# KiCad board smoothiev2-prime-2660.kicad_pcb (continued)
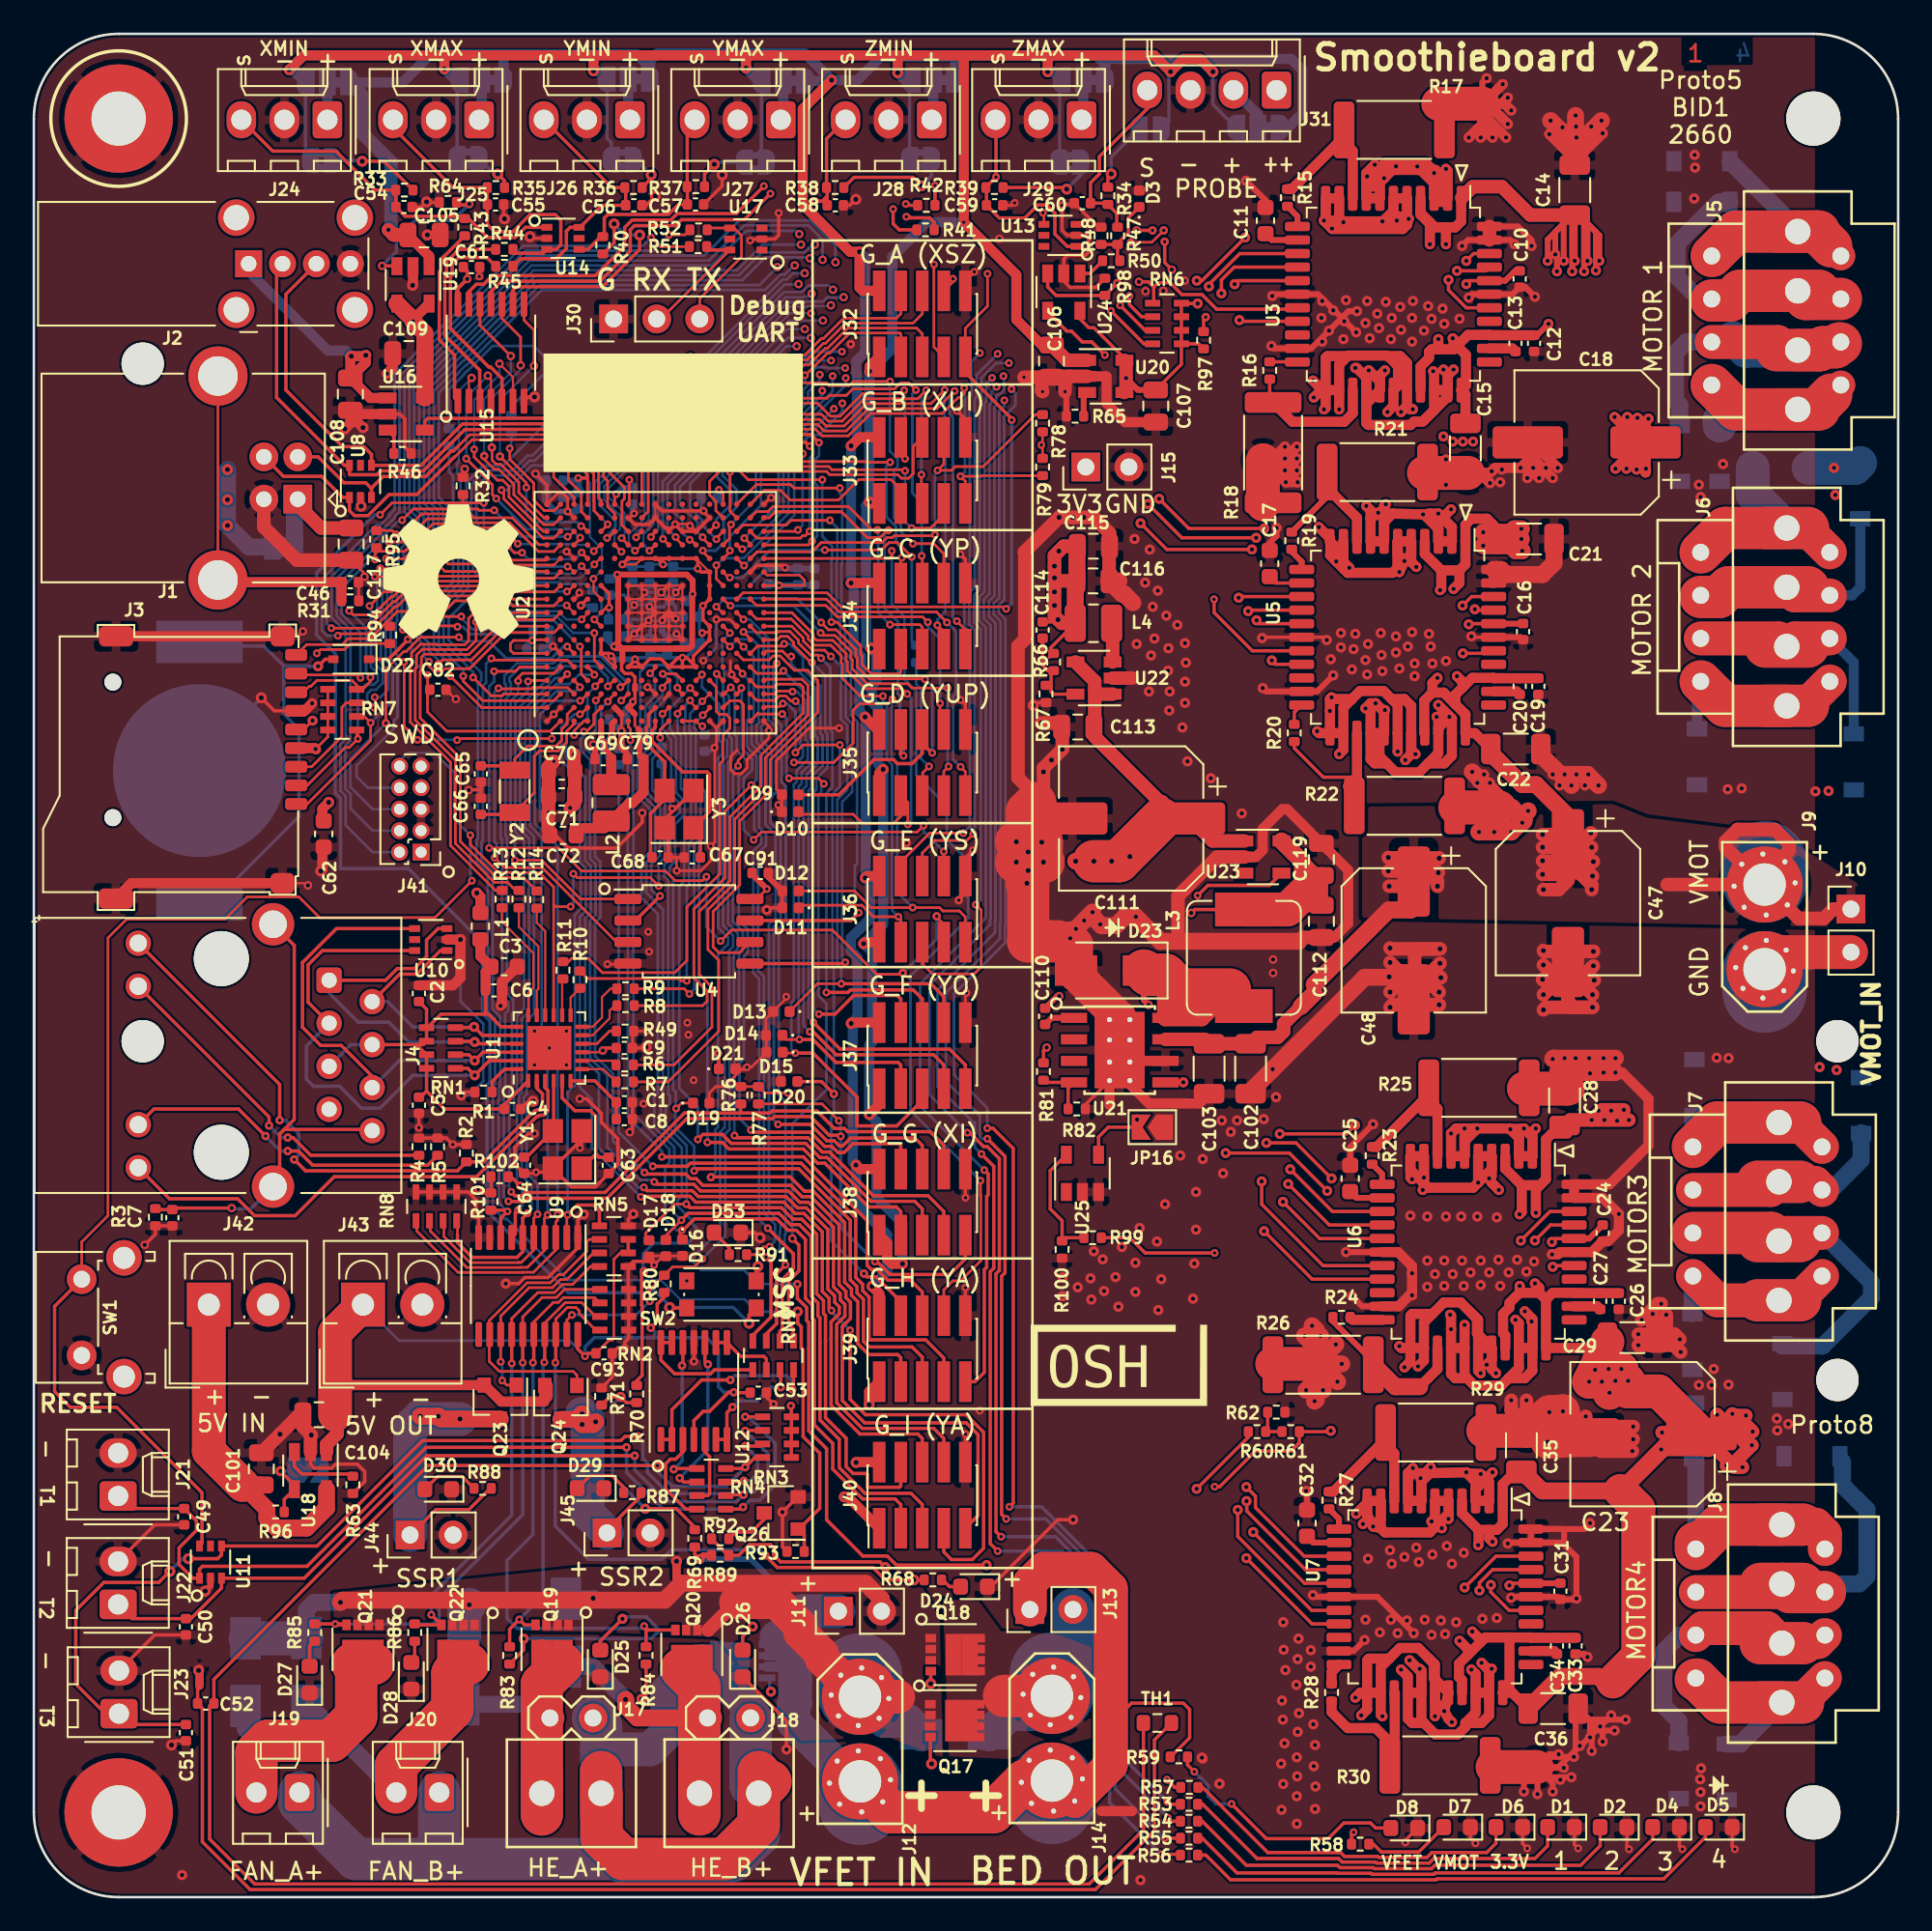
[diagram p0: board, top side]
## Routing (per net, layer and track width the routed paths; a pad name or vN(x,y) marks a point on that pad's centre or on a via; arc(x,y) is an arc through that point) (continued)
/sheet62266892/COIL_B2: length 65.9
  Top w0.6: U5.24 77.27,70.23 77.77,70.73 ; U5.24 77.27,67.73 v2(77.02,67.48) ; U5.24 U5.23 ; 77.77,70.73 76.57,70.73 v2(76.57,70.83) 76.47,70.73 v2(76.47,70.03) U5.23 ; 77.77,70.73 78.25,71.21 79.64,71.21 80.12,70.73 ; 80.12,70.73 80.47,70.38 U5.28 v2(80.47,67.63) ; 80.12,70.73 80.87,70.73 81.27,70.33 U5.29 ; U5.29 81.27,67.73 v2(81.52,67.48) ; U5.29 81.27,67.48 v2(80.92,67.13) ; U5.23 75.83,68.72 v2(75.72,68.83)
  Top w2: J6.1 104.53,70.33 J6.1
  Top w2.5: J6.1 99.79,70.33 J6.1
  In2.Cu w2: 76.12,70.73 76.12,69.23 v2(75.72,68.83) 75.72,68.78 v2(77.02,67.48) 76.97,67.98 v2(80.47,67.63) v2(81.52,67.48) 81.57,67.53 83.85,67.53 84.18,67.86 85.56,67.86 85.71,67.71 86.26,67.71 86.44,67.53 88.75,67.53 88.93,67.71 92.41,67.71 92.59,67.53 94.11,67.53 J6.1
  In2.Cu w2.5: 98.35,71.45 98.67,71.45 99.79,70.33 J6.1
  Bottom w0.6: J6.1 98.13,71.55 D44.1
/SPI1_CIPO: length 24
  Top w0.16: J36.8 v3(53.69,61.73) ; v3(41.74,71.39) 41.74,71.3 U2.R3 ; v3(42.47,62.42) 42.93,62.88 52.12,62.88 v3(52.49,63.25)
  Bottom w0.16: v3(41.74,71.39) 41.77,71.36 41.77,67.82 42.37,67.21 42.37,66.55 41.88,66.05 41.88,63.01 v3(42.47,62.42) ; v3(53.69,61.73) 52.49,62.93 v3(52.49,63.25)
/SPI1_COPI: length 49.6
  Top w0.16: U2.A5 28.67,72.63 28.41,72.37 v3(27.15,72.37) ; v5(53.27,57.91) 53.27,57.86 53.69,57.44 J36.7 ; v3(26.86,61.94) 30.96,61.94 32.32,60.58 37.26,60.58 37.83,60.01 39.45,60.01 v3(39.68,60.24) ; v5(51.27,54.56) 51.2,54.48 49.73,54.48 47.11,57.09 41.17,57.09 v3(40.52,56.45)
  Bottom w0.16: v3(26.86,61.94) 26.86,71.46 27.15,71.76 v3(27.15,72.37) ; v3(39.68,60.24) 39.68,57.29 v3(40.52,56.45) ; v5(51.27,54.56) 53.27,56.56 v5(53.27,57.91)
/SPI1_SCK: length 40.5
  Top w0.16: U2.T3 42.65,70.65 43.72,70.65 43.99,70.91 44.37,70.91 44.67,70.61 v3(44.95,70.61) ; J36.9 54.96,57.86 54.6,58.22 53.64,58.22 53.44,58.42 v3(51.86,58.42) 49.4,58.42 48.42,59.41 D12.1 ; v3(50.66,70.72) 50.39,70.45 48.72,70.45 48.35,70.08 48.35,68.13 47.2,66.99 v3(44.85,66.99)
  Bottom w0.16: v3(50.66,70.72) 50.61,70.67 50.61,67.28 50.94,66.96 50.94,59.34 v3(51.86,58.42) ; v3(44.85,66.99) 45.03,66.99 45.37,67.33 45.37,67.92 45.24,68.06 45.24,70.32 v3(44.95,70.61)
/SSR1: length 36.1
  Top w0.16: v3(29.16,71.77) 29.21,71.83 U2.A4
  Top w0.2: v5(28.69,42) 28.15,42.53 R102.1 ; v3(28.58,40.58) 28.41,40.41 28.41,39.16 U9.7
  Bottom w0.16: v3(28.58,40.58) 28.81,40.81 28.81,41.85 28.5,42.16 28.5,46.33 28.34,46.49 28.34,47.49 28.5,47.65 28.5,52.03 28.93,52.46 28.93,62.37 28.41,62.89 28.41,70.48 29.16,71.23 v3(29.16,71.77)
/SSR2: length 41.4
  Top w0.16: U2.C5 31.47,73.03 27.09,73.03 v3(27,73.13) ; 27.62,38.94 27.63,38.95
  Top w0.2: R101.1 27.87,40.56 v3(27.94,40.48) 27.55,40.09 U9.8
  Bottom w0.16: v3(27,73.13) 26.68,72.81 26.68,71.7 26.49,71.5 26.49,62.36 26.41,62.29 26.41,61.2 27.07,60.54 27.07,52.43 27.51,51.99 27.51,47.87 27.42,47.78 27.42,41.01 v3(27.94,40.48)
/STEP_A: length 90.8
  Top w0.16: v3(23.41,78.28) 23.71,77.98 28.16,77.98 28.28,77.86 30.7,77.86 U2.B12
  Top w0.2: U3.42 84.95,97.03 v2(84.52,96.6)
  In2.Cu w0.2: v4(43.87,96.23) 43.87,98.18 45.03,99.34 49.68,99.34 50.28,98.75 51.7,98.75 53.13,100.17 56.43,100.17 57.67,98.93 61.83,98.93 63.43,100.53 71.87,100.53 75.8,96.6 v2(84.52,96.6)
  Bottom w0.16: v4(43.87,96.23) 42.81,95.17 29.84,95.17 25.4,90.73 25.37,90.73 24.79,90.15 24.79,90.12 23.6,88.94 23.6,82.51 24.15,81.97 24.15,79.63 23.32,78.8 23.32,78.37 v3(23.41,78.28)
/STEP_B: length 68.2
  Top w0.16: v3(37.62,85.89) 37.55,85.82 36.25,85.82 35.87,85.44 U2.H17
  Top w0.2: v2(72.12,80.25) 67.73,80.25 v2(65.73,82.25) ; U5.42 84.83,76.78 v2(84.3,76.25)
  In2.Cu w0.2: v2(72.12,80.25) 76.12,76.25 v2(84.3,76.25) ; v4(45.01,91.56) 46.65,91.56 47.25,92.16 48.43,92.16 48.45,92.14 52.28,92.14 52.8,91.62 58.61,91.62 58.72,91.51 65.16,91.51 65.73,90.94 v2(65.73,82.25)
  Bottom w0.16: v3(37.62,85.89) 38.78,87.04 39.89,87.04 44.41,91.56 v4(45.01,91.56)
/STEP_C: length 112
  Top w0.16: U2.H15 35.53,80.29 v3(35.53,80.28)
  Top w0.2: U6.42 89.46,40.48 v2(87.74,38.76) ; v2(76.57,42.43) 74.47,44.53 v2(72.72,44.53)
  In2.Cu w0.2: v2(72.72,44.53) 72.72,45.05 73.92,46.25 73.92,62.33 68.82,67.43 68.82,75.13 67.04,76.91 67.04,91.12 65.99,92.17 62.69,92.17 62.58,92.28 53.08,92.28 52.56,92.8 48.72,92.8 48.7,92.82 46.98,92.82 46.73,92.57 v4(45.49,92.57) ; v2(76.57,42.43) 80.24,38.76 v2(87.74,38.76)
  Bottom w0.128: v3(35.53,80.28) 35.53,80.53 36.28,81.27 36.28,84.82 36.74,85.28 36.74,86.46 37.88,87.61 39.5,87.61 44.46,92.57 v4(45.49,92.57)
/STEP_D: length 141.6
  Top w0.16: U2.F14 v3(34.67,79.43)
  Top w0.2: U7.42 86.27,20.13 v2(84.42,18.28)
  In2.Cu w0.2: v2(84.42,18.28) 84,18.28 83.92,18.36 71.94,18.36 70.51,19.79 70.51,23.71 70.63,23.84 70.63,24.62 70.51,24.75 70.51,41.06 73.6,44.16 73.89,44.16 74.91,45.18 74.91,62.75 69.86,67.8 69.86,75.75 68.03,77.58 68.03,91.53 66.38,93.18 63.37,93.18 63.18,93.37 53.42,93.37 53,93.79 49.13,93.79 48.95,93.97 v4(47.03,93.97)
  Bottom w0.128: v4(47.03,93.97) 46.98,93.93 45.65,93.93 45.61,93.89 44.6,93.89 39.09,88.38 37.56,88.38 35.96,86.78 35.96,85.6 33.65,83.29 33.65,82.5 34.58,81.56 34.58,80.76 34.26,80.43 34.26,79.92 34.22,79.88
  Bottom w0.16: v3(34.67,79.43) 34.22,79.88
/SWCLK: length 33
  Top w0.16: U2.B14 30.68,79.44 29.78,79.44 28.08,81.14 25.77,81.14 25.54,81.37 23.21,81.37 21.84,80 v3(20.95,80)
  Bottom w0.16: J41.4 19.99,62.96 18.69,64.26 18.69,65.12 18.38,65.43 18.38,67.96 18.68,68.26 18.68,74.83 17.86,75.64 17.86,77.4 20.47,80 v3(20.95,80)
/SWDIO: length 35.7
  Top w0.128: U2.C15 31.55,80.31 v3(31.5,80.31)
  Top w0.16: v3(27.17,81.88) 26.27,81.88 26.2,81.95 22.39,81.95 v3(21.72,81.29)
  Bottom w0.128: 31.47,80.23 31.47,80.29 v3(31.5,80.31)
  Bottom w0.16: J41.2 19.99,61.69 18.4,63.28 18.4,65 18.09,65.31 18.09,68.08 18.39,68.38 18.39,74.71 17.57,75.52 17.57,77.56 20.46,80.45 20.71,80.45 21.56,81.29 v3(21.72,81.29) ; v3(27.17,81.88) 28.73,80.31 v3(31.5,80.31)
/SWO: length 24.1
  Top w0.16: U2.C6 v3(31.47,73.83) ; v3(25.08,74.38) 22.81,74.38 21.97,73.54 21.83,73.54 20.77,72.48 v5(20.77,69.31)
  Bottom w0.16: v5(20.77,69.31) 18.67,67.21 18.67,65.55 19.99,64.23 J41.6 ; v3(25.08,74.38) 25.31,74.15 26.85,74.15 27.87,73.13 30.54,73.13 31.24,73.83 v3(31.47,73.83)
/T1: length 42.9
  Top w0.16: 42.71,69.87 42.73,69.85 v3(44.15,69.85) ; 42.71,69.87 U2.T1 ; 42.71,69.87 42.77,69.87 ; v3(44.56,66.05) 46.29,66.05 v3(46.61,65.73)
  Top w0.2: v4(44.76,38.88) 45.14,38.5 45.14,36.97 44.54,36.37 44.54,33.81 44.8,33.56 44.8,32.86 RN9.1
  Bottom w0.16: v3(44.56,66.05) 44.41,66.2 44.41,69.59 v3(44.15,69.85) ; v4(44.76,38.88) 44.76,45.66 46.76,47.66 46.76,52.75 46.29,53.22 46.29,65.08 46.46,65.25 46.46,65.58 v3(46.61,65.73)
/T2: length 44
  Top w0.16: U2.R7 41.88,73.82 v3(41.88,73.81)
  Top w0.2: RN9.2 44.02,33.41 44.15,33.54 44.15,36.45 44.81,37.11 44.81,37.99 v3(43.3,39.49)
  Bottom w0.16: v3(43.3,39.49) 42.79,40.01 42.79,54.22 42.44,54.56 42.44,61.74 42.91,62.21 42.91,62.63 42.5,63.04 42.5,65.18 42.95,65.63 42.95,67.45 42.35,68.06 42.35,69.33 42.47,69.46 42.47,73.21 v3(41.88,73.81)
/T3: length 42.1
  Top w0.16: U2.U5 43.63,72.63 v3(43.83,72.83)
  Top w0.2: v3(44.35,37.33) 43.82,36.8 43.82,33.86 43.22,33.25 RN9.3
  Bottom w0.16: v3(43.83,72.83) 43.63,72.64 43.63,69.64 44.12,69.16 44.12,65.83 44.36,65.58 44.36,57.6 43.95,57.18 43.95,47.34 44.35,46.94 44.35,39.15 44.3,39.1 44.3,37.38 v3(44.35,37.33)
/T4: length 45.6
  Top w0.16: v3(41.87,74.69) 42.27,74.29 U2.T7
  Top w0.2: v3(43.2,37.78) 43.49,37.48 43.49,34.25 42.42,33.17 RN9.4
  Bottom w0.16: v3(41.87,74.69) 42.56,74.69 43.05,74.2 43.05,69.22 42.93,69.09 42.93,68.3 43.54,67.69 43.54,65.39 43.17,65.02 43.17,63.31 43.76,62.72 43.76,57.82 43.37,57.42 43.37,40.49 44.04,39.82 44.04,39.25 44.01,39.22 44.01,38.27 43.52,37.78 v3(43.2,37.78)
/TDI: length 28.4
  Top w0.128: U2.A14 29.82,79.83
  Top w0.16: v3(21.97,80.76) 22.88,81.66 25.75,81.66 25.98,81.43 28.22,81.43 29.82,79.83
  Bottom w0.16: v3(21.97,80.76) 21.97,80.35 21.23,79.61 21.23,78.18 21.13,78.08 21.13,75.48 21.05,75.39 21.05,73.12 21.46,72.71 21.46,69.68 21.25,69.46 21.25,69 19.04,66.8 19.04,66.16 19.7,65.5 J41.8
/TIM1_CH1: length 32.5
  Top w0.16: v3(40.27,76.18) 40.62,75.83 U2.P9 ; v3(52.59,71.89) 52.56,71.92 49.3,71.92 48.58,72.64 48.58,73.16 48.5,73.24 48.5,73.66 47.34,74.82 46.88,74.82 v3(46.45,75.25) ; J35.6 52.42,68.14
  Top w0.2: D9.1 47.49,65.08 49.58,67.16 50.71,67.16 50.95,66.92 51.81,66.92 52.42,67.53 J35.6 52.42,68.11 52.97,67.56 v3(53,67.56)
  Bottom w0.16: v3(46.45,75.25) 45.02,76.68 40.77,76.68 v3(40.27,76.18) ; v3(53,67.56) 53,71.48 v3(52.59,71.89)
/TIM1_CH2: length 22.5
  Top w0.16: v3(53.97,66.74) 53.69,66.46 J35.7 ; v3(53.92,71.38) 51.82,71.38 51.57,71.63 49.18,71.63 48.29,72.52 48.29,73.04 48.21,73.12 48.21,73.54 47.26,74.49 46.57,74.49 v3(46.42,74.64) ; U2.P10 41.06,76.24 v3(41.1,76.24)
  Bottom w0.16: v3(53.97,66.74) 53.92,66.79 v3(53.92,71.38) ; v3(46.42,74.64) 44.82,76.24 v3(41.1,76.24)
/TIM1_CH3: length 17.8
  Top w0.16: v3(53.47,70.48) 53.47,69.15 J35.8 ; U2.T10 42.64,76.26 46.73,76.26 47.41,75.58 52.44,75.58 v3(52.75,75.27)
  Bottom w0.16: v3(52.75,75.27) 52.75,75 53.47,74.28 v3(53.47,70.48)
/TIM1_CH4: length 22.2
  Top w0.16: U2.U10 46.77,76.63 47.53,75.87 53.26,75.87 v3(53.87,75.25) ; v3(54.68,66.73) 54.96,66.45 J35.9
  Bottom w0.16: v3(54.68,66.73) 54.24,67.17 54.24,70.89 54.42,71.07 54.42,74.71 v3(53.87,75.25)
/TIM8_CH1: length 59.6
  Top w0.16: U2.A3 27.73,71.03 27.62,70.92 27,70.92 v3(25.92,72) ; J34.6 52.42,79.15 v3(52.39,79.18) ; v3(52.04,88.97) 51.62,89.4 51.14,89.4 50.78,89.04 48.32,89.04 47.94,88.66 46.97,88.66 46.8,88.49 42.81,88.49 41.02,90.28 v4(38.07,90.28)
  Bottom w0.16: v3(52.04,88.97) 51.84,88.77 51.84,82.88 52.39,82.33 v3(52.39,79.18) ; v4(38.07,90.28) 37.02,90.28 35.73,88.99 33.74,88.99 29.56,84.81 29.25,84.81 28.37,83.93 26.77,83.93 26.1,83.26 26.1,81.22 26.22,81.09 26.22,80.19 25.63,79.59 25.63,77.3 24.18,75.85 24.18,74.07 25.92,72.33 v3(25.92,72)
/TIM8_CH2: length 67.5
  Top w0.16: J34.7 53.69,74.71 v3(53.31,75.09) ; v3(53.74,88.98) 52.93,88.17 49.13,88.17 47.81,86.85 46.75,86.85 46.36,87.24 42.91,87.24 42.53,87.62 42.4,87.62 41.46,88.56 v3(30.47,88.56) ; U2.A2 26.42,70.23 v3(24.57,72.08)
  Bottom w0.16: v3(53.74,88.98) 53.74,87.41 53.78,87.37 53.78,75.89 53.31,75.41 v3(53.31,75.09) ; v3(30.47,88.56) 30.47,87.28 27.7,84.51 26.53,84.51 25.52,83.5 25.52,80.98 25.64,80.85 25.64,80.43 25.05,79.83 25.05,77.54 23.6,76.09 23.6,73.73 24.57,72.76 v3(24.57,72.08)
/TIM8_CH3: length 62.7
  Top w0.16: v3(51.87,79.91) 53.09,79.91 53.69,79.31 J34.8 ; U2.B3 30.67,70.63 26.49,70.63 25.33,71.79 v3(25.33,72.09) ; v3(50.52,89.48) 48.35,89.48 48.11,89.24 46.92,89.24 46.76,89.4 44.76,89.4 44.14,88.78 42.93,88.78 40.8,90.91 v4(38.74,90.91)
  Bottom w0.16: v3(25.33,72.09) 25.33,72.41 23.89,73.85 23.89,75.97 25.34,77.42 25.34,79.71 25.93,80.31 25.93,80.97 25.81,81.1 25.81,83.38 26.65,84.22 28.25,84.22 29.13,85.1 29.41,85.1 33.59,89.28 35.61,89.28 37.24,90.91 v4(38.74,90.91) ; v3(51.87,79.91) 51.16,80.62 51.16,81.03 50.76,81.43 50.76,84.23 50.96,84.43 50.96,84.92 50.52,85.37 v3(50.52,89.48)
/TIM8_CH4: length 51.2
  Top w0.16: v3(27.59,83.07) 27.72,82.94 27.72,82.55 30.05,80.23 30.67,80.23 U2.B15 ; v3(33.28,87.62) 33.67,88.01 41.6,88.01 42.28,87.33 42.41,87.33 42.79,86.95 46.24,86.95 46.63,86.56 47.93,86.56 49.25,87.88 53.29,87.88 v3(54.33,88.92) ; v3(54.46,75.33) 54.96,74.83 J34.9
  Bottom w0.16: v3(33.28,87.62) 30.18,84.52 29.37,84.52 27.92,83.07 v3(27.59,83.07) ; v3(54.46,75.33) 54.23,75.56 54.23,87.33 54.03,87.53 54.03,88.62 v3(54.33,88.92)
/USART3_RX: length 17.8
  Top w0.16: v3(41.06,77.9) 41,77.9 U2.P12 ; v3(46.67,79.53) 50.02,79.53 50.46,79.97 50.95,79.97 v3(51.8,79.13)
  Bottom w0.16: v3(46.67,79.53) 43.45,79.53 41.82,77.9 v3(41.06,77.9) ; v3(51.8,79.13) 51.8,74.18 R73.1
/USART3_TX: length 19.9
  Top w0.16: U2.U16 43.38,81.43 43.74,81.79 ; v3(50.43,80.7) 50.37,80.7 49.93,80.26 49.18,80.26 47.65,81.79
  Top w0.2: 43.74,81.79 47.65,81.79
  Bottom w0.16: 51.1,70.5 51.1,70.5 51.1,70.93 50.99,71.05 50.99,75.3 50.18,76.11 50.18,80.45 v3(50.43,80.7)
  Bottom w0.2: 51.14,69.67 51.1,69.72 51.1,70.5
/USART4_RX: length 6.6
  Top w0.16: U2.B17 30.7,81.86 30.11,81.86 29.49,82.47 29.49,83.47 28.08,84.89 v3(28.08,85.53)
  Bottom w0.16: 28.17,86.45 28.17,85.62 v3(28.08,85.53)
/USART4_TX: length 24.1
  Top w0.16: v3(24.99,75) 24.94,75.05 v3(22.95,75.05) ; U2.D4 32.3,72.2 32.3,73.75 v3(32.22,73.83)
  Bottom w0.16: v3(22.95,75.05) 23.26,75.36 23.26,76.16 24.73,77.63 24.73,83.92 24.5,84.15 R74.1 ; v3(32.22,73.83) 30.7,75.36 28.12,75.36 27.32,74.56 25.76,74.56 25.32,75 v3(24.99,75)
/USB_DEV_D+: length 26.8
  Top w0.16: U2.E16 33.04,81.86 33.04,82.41 33.03,82.42 33.03,84.04 31.02,86.05 26.8,86.05 26.79,86.04 25.86,86.04 24.84,85.02 24.81,85.02
  Top w0.2: 24.81,85.02 22.6,82.81 20.96,82.81 19.72,81.56 18.91,81.56 18.62,81.85 U8.1 18.22,82.63 16.97,83.88 14.72,83.88 J1.3
/USB_DEV_D-: length 23.3
  Top w0.16: U2.E17 33.47,82.46 33.32,82.61 33.32,84.16 31.14,86.34 26.68,86.34 26.67,86.33 25.71,86.33 25.06,85.68
  Top w0.2: 19.92,83.16 19.58,83.5 18.3,83.5 16.77,85.03 J1.2 ; 19.92,83.16 19.92,83.19 20.6,83.87 23.12,83.87 24.63,85.38 24.76,85.38 25.06,85.68 ; 19.92,83.16 U8.3
/USB_HOST_D+: length 52.8
  Top w0.16: v3(45.77,80.63) 45.52,80.38 45.37,80.38 45.22,80.23 42.67,80.23 U2.T15
  Top w0.2: v3(45.77,85.66) 45.54,85.89 42.53,85.89 42.02,86.4 41.89,86.4 41.24,87.05 36.56,87.05 35.61,86.1 32.28,86.1 31.4,86.98 26.41,86.98 26.4,86.97 25.29,86.97 22.84,84.53 U8.4 19.92,85.18 19.47,85.63 18.22,85.63 14.87,88.98 14.87,94.63 J2.3 ; 17.02,96.43 16.97,96.38
  Bottom w0.16: v3(45.77,85.66) 46,85.43 46,85.18 45.77,84.95 v3(45.77,80.63)
/USB_HOST_D-: length 50.4
  Top w0.16: v3(45.08,80.71) 45,80.63 U2.U15
  Top w0.2: v4(45.35,85.21) 42.75,85.21 41.99,85.97 39.16,85.97 38.41,86.72 36.69,86.72 35.74,85.77 32.15,85.77 31.27,86.65 26.55,86.65 26.54,86.64 25.42,86.64 22.98,84.2 20.47,84.2 20.24,83.97 18.65,83.97 18.62,84 U8.6 18.32,84.53 14.32,88.53 14.32,96.08 J2.2
  Bottom w0.16: v4(45.35,85.21) 45.35,80.98 v3(45.08,80.71)
/USB_PWR: length 16.1
  Top w0.6: C108.1 18.67,90.92 v1(18.73,90.97) 19.53,90.97 v1(19.58,91.02) 19.58,90.59 C108.1 ; C108.1 19.84,88.5 U16.1
  Bottom w0.6: J2.1 12.67,95.98 17.35,91.3 18.4,91.3 v1(18.73,90.97) 19.53,90.97 v1(19.58,91.02)
/USB_PWR_ON: length 34.3
  Top w0.16: v3(45.92,80.05) 45.7,79.83 U2.U14
  Top w0.2: v3(46.32,85.87) 45.84,86.35 42.54,86.35 42.16,86.73 42.03,86.73 41.38,87.38 36.42,87.38 35.47,86.43 32.42,86.43 31.54,87.31 26.28,87.31 26.27,87.3 23.24,87.3 23.07,87.13 23.07,86.61
  Bottom w0.16: v3(46.32,85.87) 46.32,85.09 46.08,84.85 46.08,83.47 46.22,83.33 46.22,80.35 v3(45.92,80.05)
/VLX: length 4
  Top w0.35: C69.1 34.07,67.38 33.66,67.79 33.66,68.17 33.47,68.35 U2.E1
  Top w0.6: L2.2 C69.1
/VMOT: length 385
  Top w0.2: R99.2 64.67,38.93 65.57,38.03 v3(69.67,38.03) ; v3(69.67,24.23) 69.97,24.23 72.07,26.33 74.17,26.33 74.67,26.83 R61.1 76.47,27.48 v2(76.52,27.53) ; v3(77.87,3.83) 77.75,3.71 R58.1
  Top w0.35: v2(91.67,96.6) 91.67,98.81 90.97,99.5 ; 90.97,99.5 92.17,98.31 v2(92.17,96.03) ; 90.97,99.5 89.32,97.86 v2(89.32,96.6) ; 90.97,99.5 92.37,98.11 v2(92.37,96.6) ; 90.97,99.5 89.77,98.31 v2(89.77,96.98) 89.87,96.88 v2(89.87,95.98) ; 90.97,99.5 91.47,99 v2(91.47,95.98) ; 90.97,99.5 90.77,99.31 v2(90.77,95.98) ; 90.97,99.5 90.27,98.81 v2(90.27,96.6) ; 90.97,99.5 90.92,99.45 v2(90.92,96.6) ; v2(89.37,92.88) 88.7,92.21 C12.1
  Top w0.6: 83.87,70.43 84.47,69.83 U5.33 85.03,68.72 C22.1 ; 83.87,70.43 83.87,70.98 84.3,71.41 ; 83.87,70.43 83.19,71.11 82.52,71.11 ; 83.04,78.33 82.07,79.3 U5.4 ; 83.04,78.33 84.12,78.33 ; 83.04,78.33 83.04,77.23 v2(82.97,77.16) ; 84.12,78.33 84.47,78.68 U5.1 84.47,81.03 84.82,81.38 85.74,81.38 86.14,80.98 ; 84.12,78.33 84.12,77.58 v2(83.77,77.23) ; C19.1 C20.1 86.15,71.96 U5.36 84.87,71.98 84.3,71.41 ; 87.79,42.03 86.82,43 U6.4 ; 87.79,42.03 88.87,42.03 ; 87.79,42.03 87.79,40.44 v2(87.66,40.31) ; 88.87,42.03 89.22,42.38 U6.1 89.22,44.73 89.57,45.08 90.49,45.08 ; 88.87,42.03 88.63,41.79 v2(88.63,40.4) ; C26.1 C27.1 90.9,35.66 U6.36 89.62,35.68 89.22,35.28 ; U7.4 84.27,22.65 85.24,21.68 ; C36.1 87.23,12.07 U7.33 87.07,12.47 87.07,15.33 ; C33.1 C34.1 88.35,15.31 U7.36 87.07,15.33 ; 85.24,21.68 85.24,20.8 v2(85.22,20.78) ; 85.24,21.68 85.87,21.68 ; 87.07,15.33 85.64,15.33 85.35,15.05 ; 88.35,24.33 87.95,24.73 87.02,24.73 86.67,24.38 U7.1 86.67,22.03 86.32,21.68 85.87,21.68 ; 81.82,99.55 81.82,99.33 82.37,98.78 v2(82.37,97.58) ; 81.82,99.55 U3.4 ; 81.82,99.55 81.82,99.43 82.67,98.58 83.37,98.58 ; 82.87,91.38 82.47,91.38 82.32,91.23 82.32,90.86 81.82,90.36 U3.30 ; 82.87,91.38 v2(82.87,91.98) ; 82.87,91.38 83.77,91.38 ; U7.30 84.27,12.81 84.09,12.99 84.09,13.78 84.63,14.32 ; U6.30 86.82,33.16 86.69,33.29 86.69,34.43 87.07,34.81 87.07,35.08 87.67,35.68 ; 85.35,15.05 84.63,14.32 ; 85.35,15.05 85.35,15.2 v2(84.87,15.68) ; 84.63,14.32 84.63,14.62 v2(84.12,15.13) ; 92.85,32.78 92.48,32.42 U6.33 89.22,35.28 ; 82.52,71.11 82.04,70.63 82.04,68.75 U5.30 ; 82.52,71.11 82.52,71.68 v2(82.82,71.98) ; 87.67,35.68 v2(87.67,36.08) ; 87.67,35.68 88.82,35.68 ; 84.3,71.41 84.3,71.75 v2(83.97,72.08) ; v2(94.02,87.38) 95.1,86.31 C18.1 ; 83.37,98.58 83.32,98.53 v2(83.32,97.58) ; 83.37,98.58 83.87,98.58 84.22,98.93 U3.1 ; C18.1 95.1,84.81 v2(94.57,84.28) ; C18.1 94.77,85.88 v2(93.27,87.38) ; C18.1 94.87,85.88 v2(93.32,84.33) ; C18.1 95.1,87.11 v2(95.27,87.28) ; C18.1 95.1,86.86 v2(94.62,87.33) ; C18.1 95.1,85.45 v2(93.97,84.33) ; C18.1 95.1,84.11 95.12,84.13 v2(95.12,84.33) ; C12.1 C13.1 85.9,92.21 U3.36 84.62,92.23 83.77,91.38 ; v2(88.57,36.23) 88.82,35.98 88.82,35.68 ; C15.1 84.47,88.72 U3.33 84.5,89.25 84.5,91.05 83.97,91.58 ; 85.87,21.68 85.87,21.18 v2(86.07,20.98) ; 89.22,35.28 88.82,35.68 ; 83.77,91.38 83.77,91.98 v2(83.72,92.03)
  Top w0.8: 81.42,61.36 82.89,61.36 v1(82.92,61.33) ; 81.42,61.36 81.42,61.03 80.97,60.58 v1(79.92,60.58) ; 81.42,61.36 82.82,59.95 v1(82.82,59.68) ; 81.42,61.36 81.42,60.23 80.87,59.68 v1(79.97,59.68) ; 81.42,61.36 81.99,61.36 v1(82.87,60.48) ; 81.42,61.36 79.95,61.36 v1(79.92,61.38) ; J10.1 106.17,58.33 105.62,57.78 104.12,57.78 J9.1 ; 100.77,60.98 100.77,61.03 99.82,61.98 99.82,62.33 100.52,63.03 102.72,63.03 103.57,62.18 103.57,61.78 102.12,60.33 J9.1 ; 90.52,61.16 90.52,62.08 89.87,62.73 v1(89.02,62.73) ; 90.52,61.16 90.52,61.48 v1(91.87,62.83) ; 90.52,61.16 90.52,60.83 90.07,60.38 v1(89.02,60.38) ; 90.52,61.16 91.99,61.16 v1(92.02,61.13) ; 90.52,61.16 91.92,59.75 v1(91.92,59.48) ; 90.52,61.16 90.52,60.03 89.97,59.48 v1(89.07,59.48) ; 90.52,61.16 89.05,61.16 v1(89.02,61.18) ; 90.52,61.16 91.1,61.16 ; 90.52,61.16 90.52,61.53 90.07,61.98 v1(89.02,61.98) ; v2(100.82,25.38) 100.35,25.38 98.74,26.98 ; J9.1 96.37,59.78 ; 98.74,26.98 100.22,28.45 v2(100.22,28.53) ; 98.74,26.98 98.3,27.43 v2(96.07,27.43) ; 98.74,26.98 99.32,27.56 v2(99.32,28.48) 101.12,26.68 v2(101.37,26.68) 100.17,25.48 v2(99.87,25.48) ; 98.74,26.98 98.2,26.43 v2(96.02,26.43) ; 98.74,26.98 100.2,28.43 ; C28.1 90.64,45.88 v2(94.12,45.88) ; 91.1,61.16 v1(91.97,60.28) ; 91.1,61.16 v1(91.92,61.98) ; v2(91.92,45.88) 92.52,46.48 v2(93.82,46.48) ; 100.2,28.43 100.47,28.43 v2(101.42,27.48) ; 100.2,28.43 v2(101.02,28.43) ; 75.55,53.36 75.55,53.88 ; 74.77,52.58 73.74,51.56 73.74,51.11 73.39,50.75 72.17,50.75 C102.1 C103.1 69.08,50.64 U21.7 ; 84.25,100.32 84.91,100.98 86.62,100.98 88.3,99.31 C14.1
  Top w1: C36.1 90.07,13.03 92.32,13.03 92.62,12.73 ; 81.47,61.25 81.47,58.5 81.24,58.28 79.95,58.28 75.55,53.88 ; C21.1 87.35,80.78 v2(87.77,80.78) ; C21.1 v2(87.77,80.18) ; C21.1 86.35,80.58 v2(85.52,80.58) ; C21.1 87.45,79.48 v2(87.82,79.48) ; C21.1 86.35,79.78 v2(85.52,79.78) ; C47.1 90.52,63.81 88.64,65.68 87.82,65.68 85.97,67.53 C22.1 ; 74.77,52.58 75.55,53.36 ; 98.74,26.98 96.62,26.98 93.62,23.98 88.99,23.98 C35.1
  Top w2: 98.74,26.98 95.87,29.86 94.05,29.86 v2(94.07,30.48) v2(93.32,30.48) v2(92.97,29.78) v2(93.67,31.18) v2(92.92,31.18) 92.85,31.06 v2(92.52,30.43) v2(91.77,30.43) v2(92.12,31.13) 92.85,32.78 ; 93.62,23.98 94.67,22.93 94.67,14.23 93.17,12.73
  In1.Cu w0.35: v3(77.87,3.83) 79.32,3.83 79.57,4.08
  In1.Cu w0.6: J31.1 79.67,106.68 79.77,106.78
  In1.Cu w0.8: v2(76.52,27.53) 81.22,27.53
  In1.Cu w1: J9.1 102.12,63.08 ; J9.1 98.82,59.78 ; J9.1 105.12,59.78
  In2.Cu w0.2: v3(69.67,24.23) v3(69.67,38.03)
  In2.Cu w1: J9.1 98.87,59.78 ; J9.1 102.12,62.93 ; J9.1 105.17,59.78
  vias: v2(83.17,86.23) v2(83.72,85.93) v2(84.32,85.93) v2(84.92,85.93) v2(92.32,46.43) v2(92.67,45.88) v2(93.07,46.43) v2(93.42,45.83)
/VMOTSENSE: length 87.6
  Top w0.16: v3(40.29,72.22) 40.29,72.21 U2.P4
  Top w0.2: v2(56.21,19.6) 50.89,19.6 50.35,20.14 48.91,20.14 46.78,22.27 46.78,26.47 45.72,27.53 45.72,32.44 45.72,33.92 45.6,34.04 45.6,34.8 45.05,35.35 v5(45.05,36.19) ; v2(68.61,24.11) 71.66,27.16 R60.2
  In2.Cu w0.2: v2(68.61,24.11) 64.1,19.6 v2(56.21,19.6)
  Bottom w0.16: v5(45.05,36.19) 42.74,36.19 41.92,37.01 39.39,37.01 38.85,37.56 38.85,37.73 40.5,39.39 40.5,45.18 40.76,45.44 40.76,49.56 41.02,49.83 41.02,55.89 41.25,56.11 41.25,56.78 40.67,57.36 40.67,67.13 40.89,67.35 40.89,68.26 40.72,68.43 40.72,70.77 40.29,71.2 v3(40.29,72.22)
/XTAL_HSE_IN: length 9.9
  Top w0.2: C68.1 36.39,61.46 36.39,63.98 37.22,64.81 Y3.3 37.22,67.02 36.14,68.1 36.14,69.04 36.26,69.16 36.26,69.82 U2.J2
/XTAL_HSE_OUT: length 10.9
  Top w0.2: C67.1 39.33,62.72 Y3.1 39.87,64.08 39.87,66.28 39.72,66.43 38.28,66.43 36.47,68.24 36.47,68.87 36.67,69.06 U2.J1
/XTAL_LSE_IN: length 8.2
  Top w0.16: U2.C2 31.47,69.83 31.47,69.27 31.15,68.95 31.15,68.3 30.81,67.96 29.14,67.96 28.37,67.19 Y2.1
  Top w0.2: Y2.1 28.11,66.79 C65.1
/XTAL_LSE_OUT: length 9.5
  Top w0.16: U2.C1 31.87,69.26 31.44,68.83 31.44,68.18 30.93,67.67 29.83,67.67 29.52,67.35 29.52,65.18 Y2.2
  Top w0.2: Y2.2 28.26,63.92 C66.1
Net-(BT1-Pad1): length 25.8
  Top w0.2: v2(16.77,72.67) 17.18,73.08 D22.2
  Bottom w0.2: 9.77,74.11 10.03,73.85 13.58,73.85 14.75,72.68 ; 14.75,72.68 14.76,72.67 v2(16.77,72.67) ; 14.75,72.68 14.75,69.86 15.64,68.95 15.64,63.81 10.75,58.91 BT1.1